# Altium PCB can_gateway_4.PcbDoc (part 1 of 2)
Units mm, origin at the board's own origin, x right, y up, seen from the top; angles counter-clockwise.
Board outline 100 x 67 mm, 2 copper layers (Top Layer, Bottom Layer); 219 components, 180 nets, 793 pads, 179 vias.
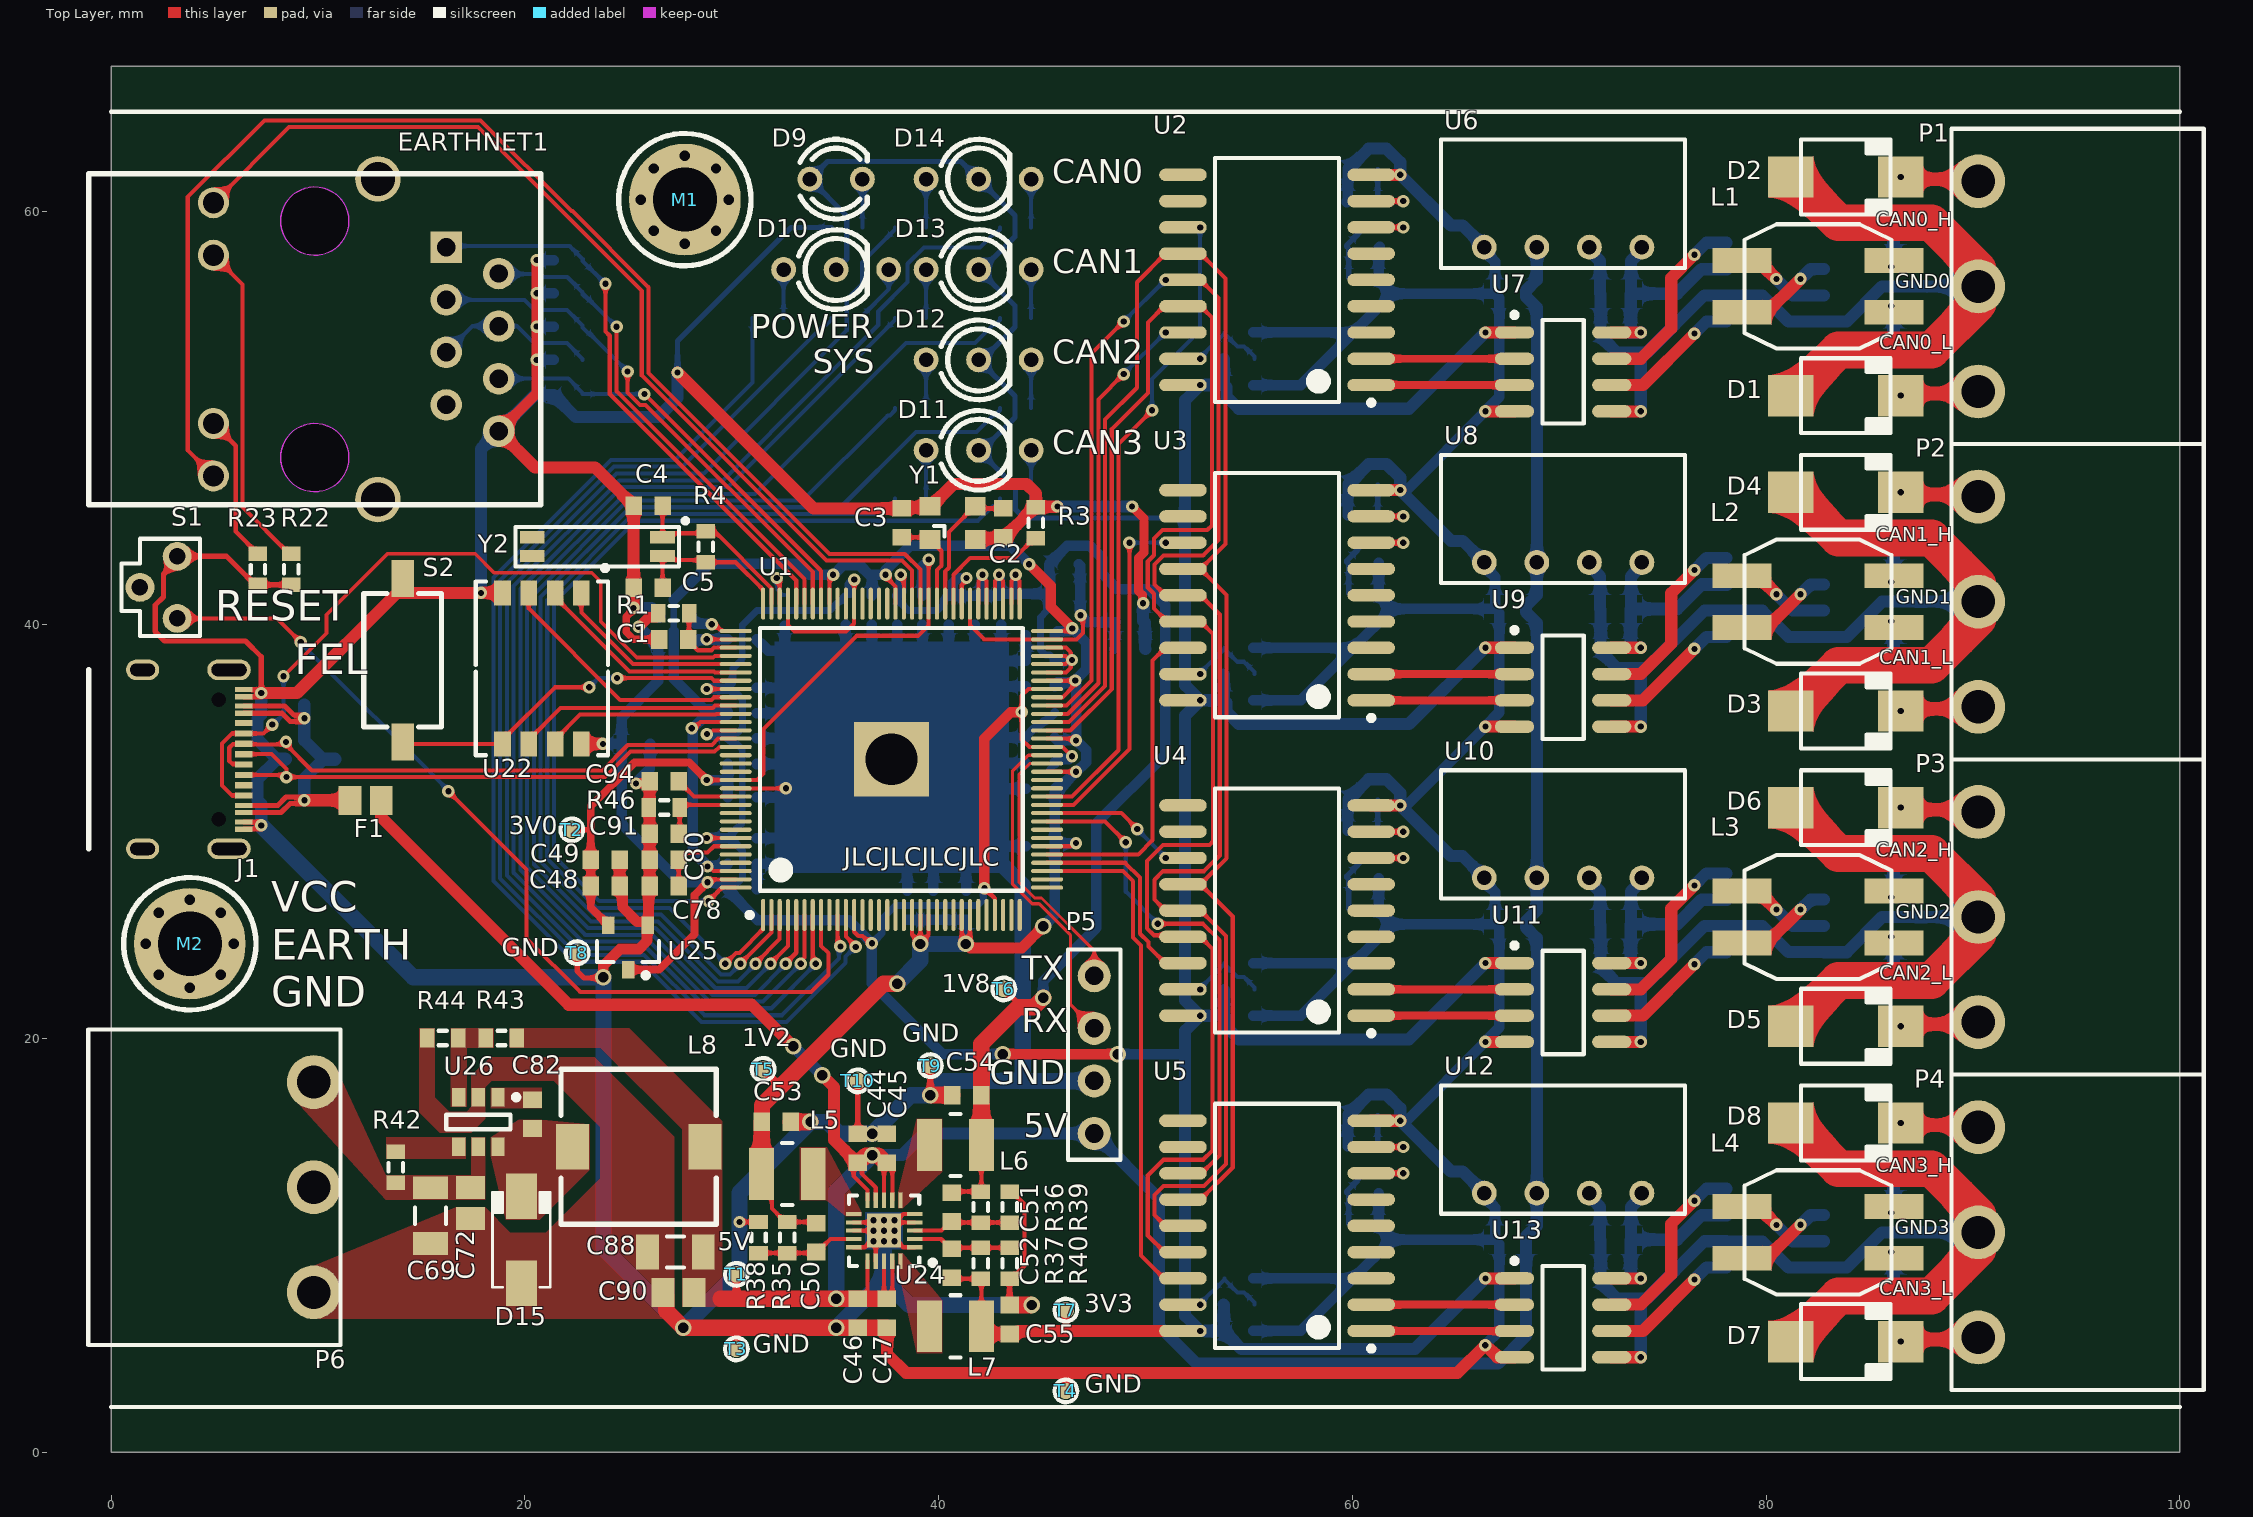
[diagram p0: Top Layer view]
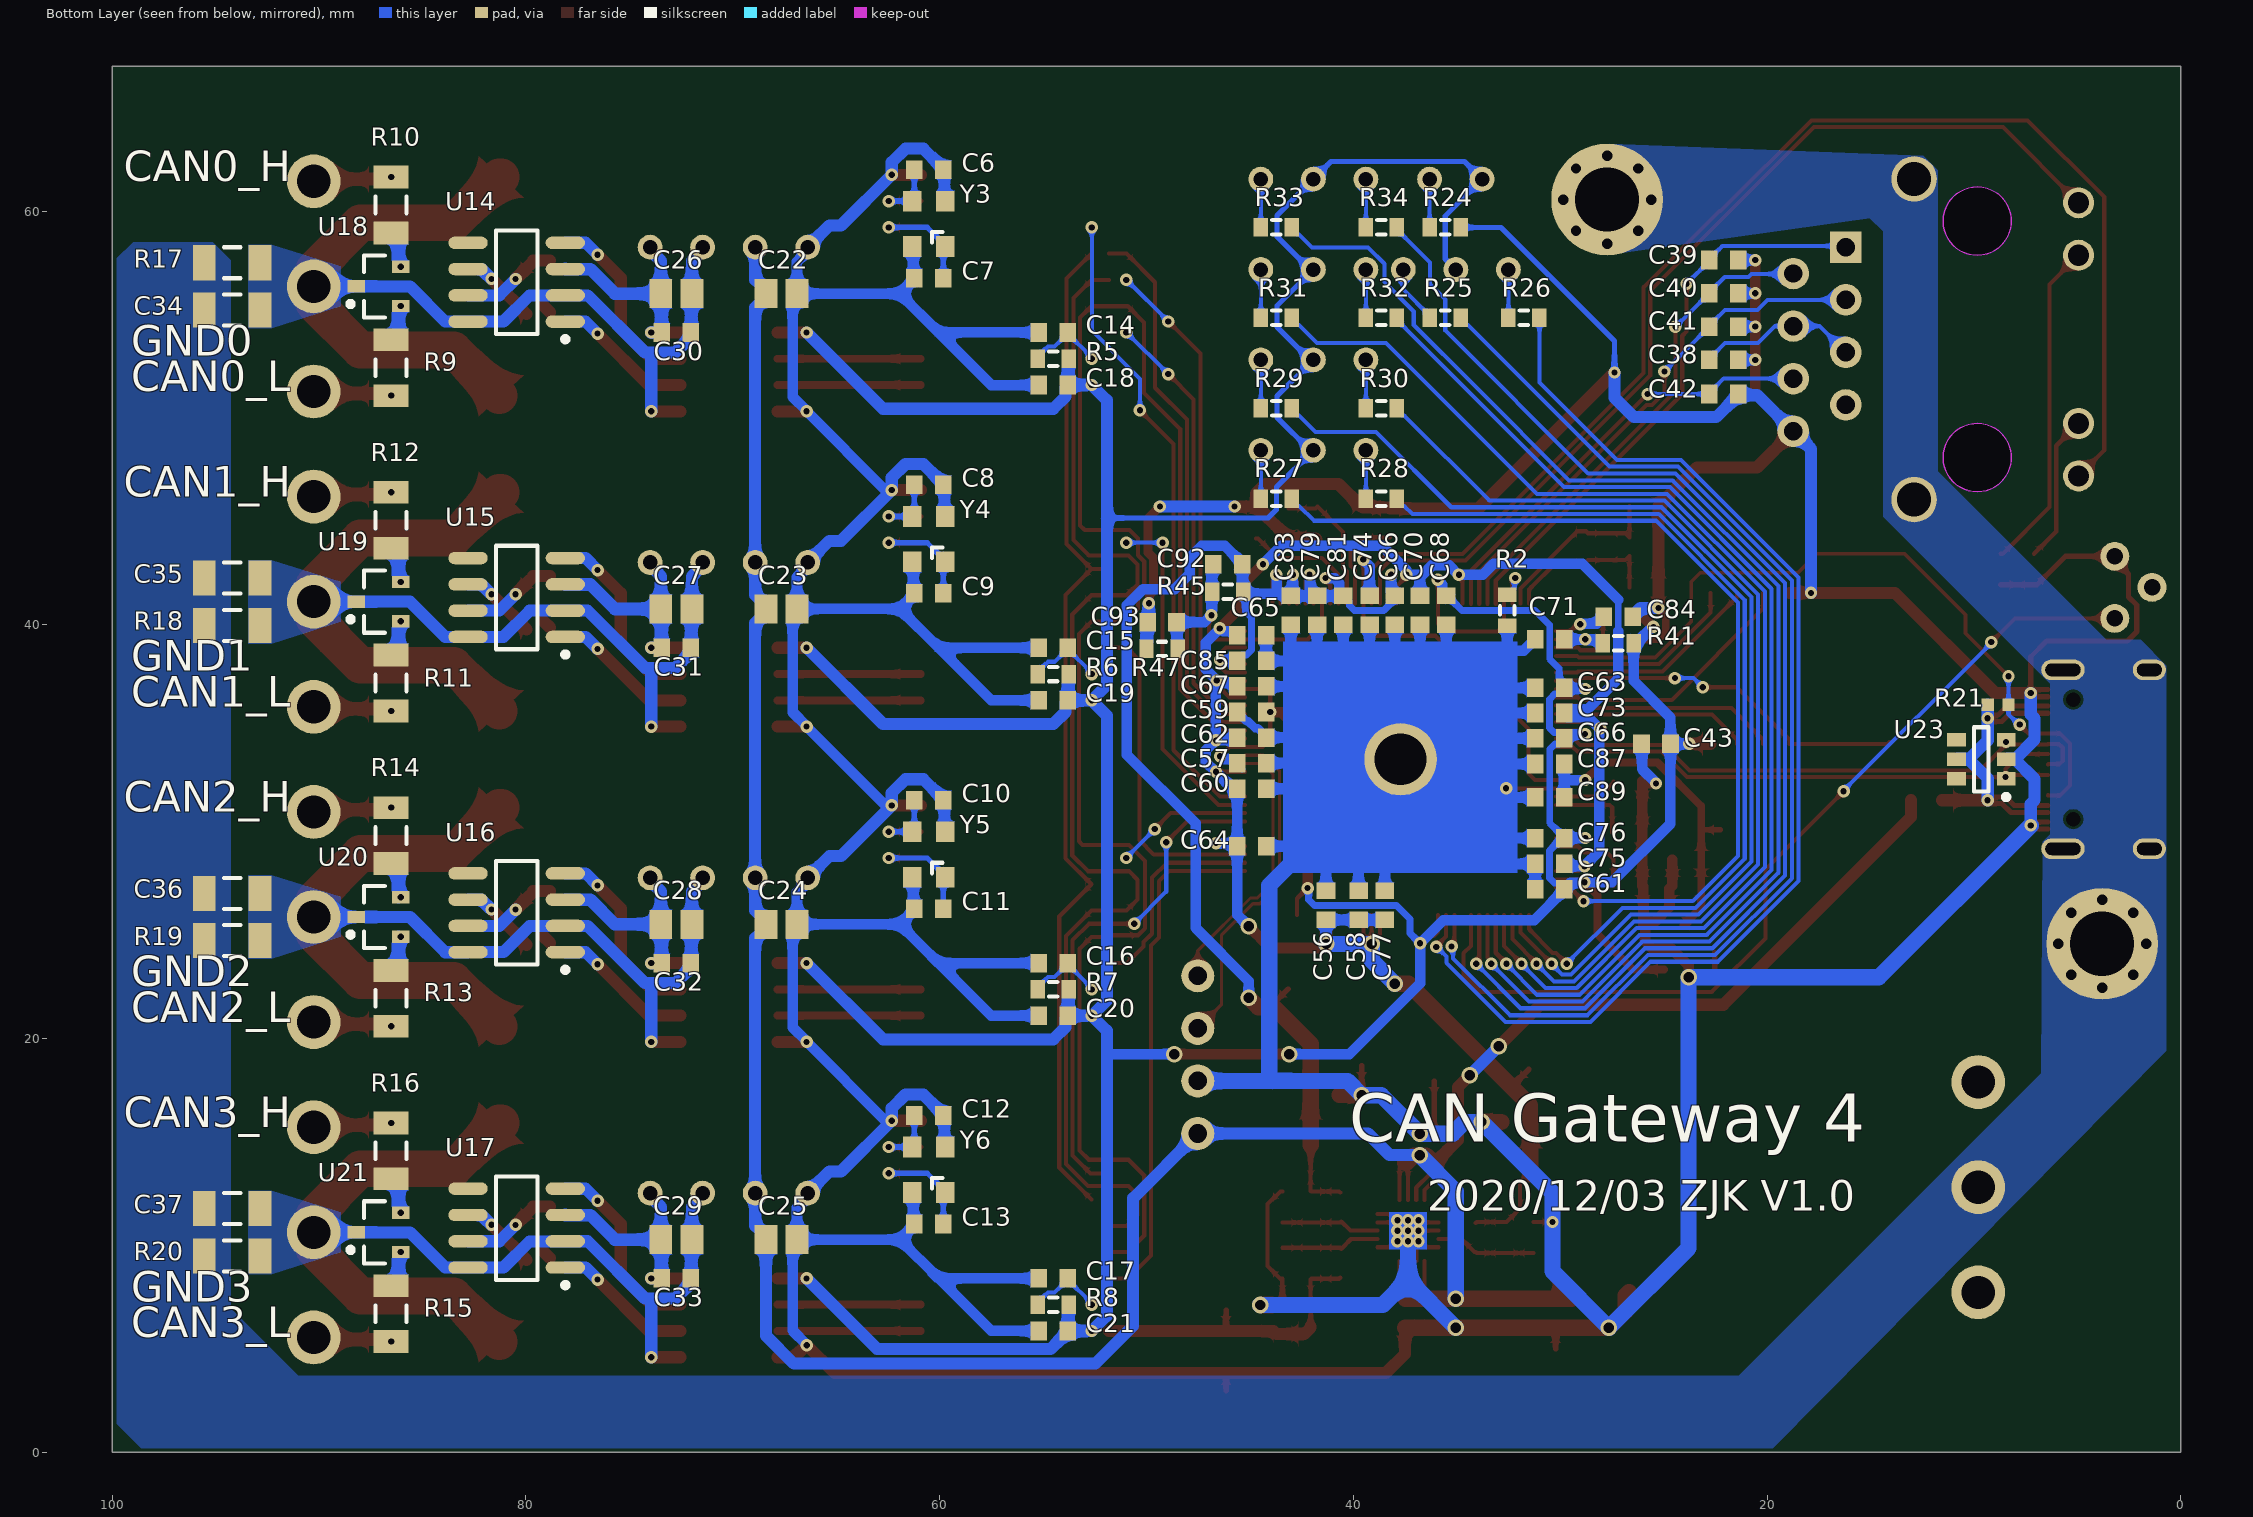
[diagram p1: Bottom Layer view, seen from below]

## Layer stack, top to bottom
Top Solder: solder mask 0.0102, Solder Resist, Dk 3.5
Top Layer: signal copper 0.0356
Dielectric 1: dielectric 0.32, FR-4, Dk 4.8
Bottom Layer: signal copper 0.0356
Bottom Solder: solder mask 0.0102, Solder Resist, Dk 3.5

## Board outline
0,0 0,67 100,67 100,0
cut-out: 9.849,46.437 cw(c9.849,48.087) 8.199,48.087 cw(c9.849,48.087) 9.849,49.737 cw(c9.849,48.087) 11.499,48.087 cw(c9.849,48.087)
cut-out: 9.849,57.867 cw(c9.849,59.517) 8.199,59.517 cw(c9.849,59.517) 9.849,61.167 cw(c9.849,59.517) 11.499,59.517 cw(c9.849,59.517)

## Design rules (kind name [scope] priority, off if disabled: settings)
Clearance [All] p1: gap=0.127 ignorepadtopadclearanceinfootprint=FALSE
PlaneConnect [All] p1: planeconnectstyle=Direct reliefexpansion=0.508 reliefentries=4 reliefconductorwidth=0.254 reliefairgap=0.254
PolygonConnect [All] p1: connectstyle=Direct reliefconductorwidth=0.254 reliefentries=4 polygonreliefangle="90 Angle" airgapwidth=0.254
RoutingVias [All] p1: holewidth=0.3 width=0.6 viastyle="Through Hole" minholewidth=0.3 minwidth=0.6 maxholewidth=3 maxwidth=6
SolderMaskExpansion [All] p1: expansion=0.102
Width [All] p1: maxlimit=2.54 minlimit=0.127 preferedwidth=0.152
29 further rules are at their usual default settings.

## Classes and differential pairs
component class U_misc: C38 C39 C40 C41 C42 C43 D9 D10 D11 D12 D13 D14 EARTHNET1 F1 J1 M1 M2 P1 P2 P3 P4 P5 P6 R21 R22 R23 R24 R25 R26 R27 R28 R29 R30 R31 R32 R33 R34 S1 S2 U22 U23
component class U_can: C6 C7 C8 C9 C10 C11 C12 C13 C14 C15 C16 C17 C18 C19 C20 C21 C22 C23 C24 C25 C26 C27 C28 C29 C30 C31 C32 C33 C34 C35 C36 C37 D1 D2 D3 D4 D5 D6 D7 D8 L1 L2 L3 L4 R5 R6 R7 R8 R9 R10 R11 R12 R13 R14 R15 R16 R17 R18 R19 R20 U2 U3 U4 U5 U6 U7 U8 U9 U10 U11 U12 U13 U14 U15 U16 U17 U18 U19 U20 U21 Y3 Y4 Y5 Y6
net class SDC1_D[0..3]: SDC1_D0 SDC1_D1 SDC1_D2 SDC1_D3
net class SDC0_D[0..3]: SDC0_D0 SDC0_D1 SDC0_D2 SDC0_D3
net class LCD_D[0..23]: LCD_D0 LCD_D1 LCD_D2 LCD_D3 LCD_D4 LCD_D5 LCD_D6 LCD_D7 LCD_D8 LCD_D9 LCD_D10 LCD_D11 LCD_D12 LCD_D13 LCD_D14 LCD_D15 LCD_D16 LCD_D17 LCD_D18 LCD_D19 LCD_D20 LCD_D21 LCD_D22 LCD_D23
component class U_v3s: C1 C2 C3 C4 C5 R1 R2 R3 R4 U1 Y1 Y2
component class U_power: C44 C45 C46 C47 C48 C49 C50 C51 C52 C53 C54 C55 C56 C57 C58 C59 C60 C61 C62 C63 C64 C65 C66 C67 C68 C69 C70 C71 C72 C73 C74 C75 C76 C77 C78 C79 C80 C81 C82 C83 C84 C85 C86 C87 C88 C89 C90 C91 C92 C93 C94 D15 L5 L6 L7 L8 R35 R36 R37 R38 R39 R40 R41 R42 R43 R44 R45 R46 R47 T1 T2 T3 T4 T5 T6 T7 T8 T9 T10 U24 U25 U26

## Components (designator, comment, footprint, x,y, rotation, side; value= is the part's Value field where it differs from the comment)
C1 "1uF" CAPC1608L 27.19,39.294 r0 top
C2 "6pF" CAPC1608L 43.129,44.926 r90 top
C3 "6pF" CAPC1608L 38.227,44.926 r90 top
C4 "6pF" CAPC1608L 25.959,45.751 r180 top
C5 "6pF" CAPC1608L 25.959,41.803 r180 top
C6 "6pF" CAPC1608L 60.523,62.006 r0 bottom
C7 "6pF" CAPC1608L 60.523,56.761 r0 bottom
C8 "6pF" CAPC1608L 60.523,46.766 r0 bottom
C9 "6pF" CAPC1608L 60.523,41.521 r0 bottom
C10 "6pF" CAPC1608L 60.523,31.526 r0 bottom
C11 "6pF" CAPC1608L 60.523,26.281 r0 bottom
C12 "6pF" CAPC1608L 60.523,16.286 r0 bottom
C13 "6pF" CAPC1608L 60.523,11.041 r0 bottom
C14 "1uF" CAPC1608L 54.512,54.132 r180 bottom
C15 "1uF" CAPC1608L 54.512,38.892 r180 bottom
C16 "1uF" CAPC1608L 54.512,23.652 r180 bottom
C17 "1uF" CAPC1608L 54.512,8.412 r180 bottom
C18 "100nF" CAPC1608L 54.512,51.592 r180 bottom
C19 "100nF" CAPC1608L 54.512,36.352 r180 bottom
C20 "100nF" CAPC1608L 54.512,21.112 r180 bottom
C21 "100nF" CAPC1608L 54.512,5.872 r180 bottom
C22 "4.7uF" CAPC2012L 67.644,56.007 r0 bottom
C23 "4.7uF" CAPC2012L 67.644,40.767 r0 bottom
C24 "4.7uF" CAPC2012L 67.644,25.527 r0 bottom
C25 "4.7uF" CAPC2012L 67.644,10.287 r0 bottom
C26 "10uF" CAPC2012L 72.724,56.007 r0 bottom
C27 "10uF" CAPC2012L 72.724,40.767 r0 bottom
C28 "10uF" CAPC2012L 72.724,25.527 r0 bottom
C29 "10uF" CAPC2012L 72.724,10.287 r0 bottom
C30 "100nF" CAPC1608L 72.724,54.132 r180 bottom
C31 "100nF" CAPC1608L 72.724,38.892 r180 bottom
C32 "100nF" CAPC1608L 72.724,23.652 r180 bottom
C33 "100nF" CAPC1608L 72.724,8.412 r180 bottom
C34 "1nF/2kV" CAPC3216L 94.192,55.217 r0 bottom
C35 "1nF/2kV" CAPC3216L 94.192,42.263 r0 bottom
C36 "1nF/2kV" CAPC3216L 94.192,27.023 r0 bottom
C37 "1nF/2kV" CAPC3216L 94.192,11.783 r0 bottom
C38 "22nF" CAPC1608L 22.098,52.807 r0 bottom
C39 "10pF" CAPC1608L 22.098,57.633 r0 bottom
C40 "10pF" CAPC1608L 22.098,56.024 r0 bottom
C41 "10pF" CAPC1608L 22.098,54.415 r0 bottom
C42 "10pF" CAPC1608L 22.098,51.156 r0 bottom
C43 "100nF" CAPC1608L 25.375,34.247 r0 bottom
C44 "10uF" CAPC1608L 36.093,14.705 r90 top
C45 "10uF" CAPC1608L 37.49,14.694 r90 top
C46 "10uF" CAPC1608L 36.093,6.729 r270 top
C47 "10uF" CAPC1608L 37.49,6.729 r270 top
C48 "10uF" CAPC1608L 23.886,27.381 r180 top
C49 "100nF" CAPC1608L 23.886,28.645 r180 top
C50 "18pF" CAPC1608L 34.089,10.389 r90 top
C51 "18pF" CAPC1608L 40.638,11.862 r90 top
C52 "18pF" CAPC1608L 40.638,9.144 r270 top
C53 "10uF" CAPC1608L 32.156,15.977 r180 top
C54 "10uF" CAPC1608L 41.368,17.272 r0 top
C55 "10uF" CAPC1608L 43.432,6.426 r270 top
C56 "10uF" CAPC1608L 41.326,26.441 r270 bottom
C57 "10uF" CAPC1608L 44.92,33.316 r0 bottom
C58 "1uF" CAPC1608L 39.751,26.441 r270 bottom
C59 "1uF" CAPC1608L 44.92,35.789 r180 bottom
C60 "1uF" CAPC1608L 44.92,32.08 r0 bottom
C61 "100nF" CAPC1608L 30.52,27.229 r180 bottom
C62 "100nF" CAPC1608L 44.92,34.552 r0 bottom
C63 "100nF" CAPC1608L 30.52,36.957 r180 bottom
C64 "100nF" CAPC1608L 44.92,29.3 r0 bottom
C65 "10uF" CAPC1608L 44.92,39.497 r0 bottom
C66 "100nF" CAPC1608L 30.52,34.519 r180 bottom
C67 "1uF" CAPC1608L 44.92,37.025 r0 bottom
C68 "100nF" CAPC1608L 35.509,40.7 r90 bottom
C69 "4.7uF" CAPC3216L 15.443,11.448 r90 top
C70 "1uF" CAPC1608L 36.779,40.7 r90 bottom
C71 "100nF" CAPC1608L 30.52,39.3 r180 bottom
C72 "0.1uF" CAPC2012L 17.374,12.057 r90 top
C73 "100nF" CAPC1608L 30.52,35.738 r180 bottom
C74 "100nF" CAPC1608L 39.218,40.7 r90 bottom
C75 "100nF" CAPC1608L 30.52,28.448 r180 bottom
C76 "100nF" CAPC1608L 30.52,29.693 r180 bottom
C77 "100nF" CAPC1608L 38.481,26.441 r270 bottom
C78 "10uF" CAPC1608L 26.738,27.381 r0 top
C79 "10uF" CAPC1608L 41.756,40.7 r90 bottom
C80 "100nF" CAPC1608L 26.738,28.645 r0 top
C81 "1uF" CAPC1608L 40.485,40.7 r90 bottom
C82 "0.1uF" CAPC1608L 20.371,16.358 r90 top
C83 "1uF" CAPC1608L 43.028,40.7 r90 bottom
C84 "10uF" CAPC1608L 27.203,40.386 r0 bottom
C85 "100nF" CAPC1608L 44.92,38.261 r0 bottom
C86 "100nF" CAPC1608L 37.998,40.7 r90 bottom
C87 "10uF" CAPC1608L 30.52,33.275 r180 bottom
C88 "22uF" CAPC3216L 27.28,9.695 r0 top
C89 "100nF" CAPC1608L 30.52,31.664 r180 bottom
C90 "0.1uF" CAPC2012L 27.432,7.739 r0 top
C91 "10uF" CAPC1608L 26.738,29.909 r0 top
C92 "100nF" CAPC1608L 46.076,42.926 r180 bottom
C93 "100nF" CAPC1608L 49.251,40.132 r180 bottom
C94 "1uF" CAPC1608L 26.738,32.436 r0 top
D1 "SMBJ5.0A" DO-214AA 83.848,51.079 r0 top
D2 "SMBJ5.0A" DO-214AA 83.848,61.646 r0 top
D3 "SMBJ5.0A" DO-214AA 83.848,35.839 r0 top
D4 "SMBJ5.0A" DO-214AA 83.848,46.406 r0 top
D5 "SMBJ5.0A" DO-214AA 83.848,20.599 r0 top
D6 "SMBJ5.0A" DO-214AA 83.848,31.166 r0 top
D7 "SMBJ5.0A" DO-214AA 83.848,5.359 r0 top
D8 "SMBJ5.0A" DO-214AA 83.848,15.926 r0 top
D9 "LED1" LED_3 35.047,61.544 r0 top
D10 "LEDx2_CA" LED_3x2 35.047,57.175 r0 top
D11 "LEDx2_CA" LED_3x2 41.935,48.438 r0 top
D12 "LEDx2_CA" LED_3x2 41.935,52.807 r0 top
D13 "LEDx2_CA" LED_3x2 41.935,57.175 r0 top
D14 "LEDx2_CA" LED_3x2 41.935,61.544 r0 top
D15 "B340A-E3-61T" DO-214AC 19.837,10.279 r90 top
EARTHNET1 "HR911105A" HR911105A 9.849,53.801 r90 top
F1 "0.5A 6V" FUSE2012L 12.307,31.521 r0 top
J1 "USB_TYPE_C_16P" USB_TYPEC_16P 7.707,35.325 r270 top
L1 "B82793S0513N201" IND0163-B 86.184,57.61 r180 top
L2 "B82793S0513N201" IND0163-B 86.184,42.37 r180 top
L3 "B82793S0513N201" IND0163-B 86.184,27.13 r180 top
L4 "B82793S0513N201" IND0163-B 86.184,11.89 r180 top
L5 "SWPA3012S2R2MT" IND3012_L 32.69,13.462 r180 top
L6 "SWPA3012S2R2MT" IND3012_L 40.818,14.859 r0 top
L7 "SWPA3012S2R2MT" IND3012_L 40.818,6.096 r0 top
L8 "CDRH74R 10uH" IND_7545 22.301,14.775 r0 top
M1 "M" M3 27.737,60.554 r0 top
M2 "M" M3 3.81,24.587 r0 top
P1 "Header 3" KF2EDGR-5.08-3P_S 90.25,61.44 r270 top
P2 "Header 3" KF2EDGR-5.08-3P_S 90.25,46.2 r270 top
P3 "Header 3" KF2EDGR-5.08-3P_S 90.25,30.96 r270 top
P4 "Header 3" KF2EDGR-5.08-3P_S 90.25,15.72 r270 top
P5 "Header 4" HDR1X4 47.523,15.418 r90 top
P6 "Header 3" KF2EDGR-5.08-3P_S 9.8,7.74 r90 top
R1 "47K" RESC1608L 27.19,40.568 r0 top
R2 "6K" RESC1608L 32.563,40.7 r90 bottom
R3 "240Ω" RESC1608L 44.704,44.926 r270 top
R4 "10M" RESC1608L 28.753,43.777 r90 top
R5 "47K" RESC1608L 54.512,52.862 r0 bottom
R6 "47K" RESC1608L 54.512,37.622 r0 bottom
R7 "47K" RESC1608L 54.512,22.382 r0 bottom
R8 "47K" RESC1608L 54.512,7.142 r0 bottom
R9 "2.7R" RESC3216L 86.509,52.429 r90 bottom
R10 "2.7R" RESC3216L 86.509,60.296 r270 bottom
R11 "2.7R" RESC3216L 86.509,37.189 r90 bottom
R12 "2.7R" RESC3216L 86.509,45.056 r270 bottom
R13 "2.7R" RESC3216L 86.509,21.949 r90 bottom
R14 "2.7R" RESC3216L 86.509,29.816 r270 bottom
R15 "2.7R" RESC3216L 86.509,6.709 r90 bottom
R16 "2.7R" RESC3216L 86.509,14.576 r270 bottom
R17 "1MR" RESC3216L 94.192,57.503 r180 bottom
R18 "1MR" RESC3216L 94.192,39.977 r180 bottom
R19 "1MR" RESC3216L 94.192,24.737 r180 bottom
R20 "1MR" RESC3216L 94.192,9.497 r180 bottom
R21 "56K" RESC1005L 8.839,36.144 r0 bottom
R22 "510R" RESC1608L 8.713,42.687 r90 top
R23 "510R" RESC1608L 7.102,42.687 r90 top
R24 "1.5K" RESC1608L 35.567,59.21 r180 bottom
R25 "270R" RESC1608L 35.567,54.841 r180 bottom
R26 "110R" RESC1608L 31.757,54.841 r180 bottom
R27 "270R" RESC1608L 43.725,46.104 r180 bottom
R28 "110R" RESC1608L 38.645,46.104 r180 bottom
R29 "270R" RESC1608L 43.725,50.472 r180 bottom
R30 "110R" RESC1608L 38.645,50.472 r180 bottom
R31 "270R" RESC1608L 43.725,54.841 r180 bottom
R32 "110R" RESC1608L 38.645,54.841 r180 bottom
R33 "270R" RESC1608L 43.725,59.21 r180 bottom
R34 "110R" RESC1608L 38.645,59.21 r180 bottom
R35 "150K" RESC1608L 32.692,10.389 r90 top
R36 "200K" RESC1608L 42.035,11.862 r90 top
R37 "680K" RESC1608L 42.035,9.144 r270 top
R38 "150K" RESC1608L 31.295,10.389 r270 top
R39 "100K" RESC1608L 43.432,11.862 r270 top
R40 "150K" RESC1608L 43.432,9.144 r90 top
R41 "0Ω" RESC1608L 27.203,39.116 r0 bottom
R42 "100K" RESC1608L 13.767,13.785 r270 top
R43 "43K" RESC1608L 18.872,20.033 r0 top
R44 "8.2K" RESC1608L 16.027,20.033 r0 top
R45 "2K" RESC1608L 46.076,41.605 r0 bottom
R46 "200K" RESC1608L 26.738,31.172 r0 top
R47 "2K" RESC1608L 49.251,38.837 r0 bottom
S1 "SW-PB" SW_4.5x3.8 2.3,41.813 r270 top
S2 "SW-PB" SW-3x6 14.097,42.24 r270 top
T1 "TEST_POINT" TEST_POINT_0.8 30.226,8.611 r0 top
T2 "TEST_POINT" TEST_POINT_0.8 22.27,30.093 r180 top
T3 "TEST_POINT" TEST_POINT_0.8 30.226,5.004 r0 top
T4 "TEST_POINT" TEST_POINT_0.8 46.152,2.972 r0 top
T5 "TEST_POINT" TEST_POINT_0.8 31.521,18.517 r0 top
T6 "TEST_POINT" TEST_POINT_0.8 43.155,22.403 r0 top
T7 "TEST_POINT" TEST_POINT_0.8 46.152,6.883 r0 top
T8 "TEST_POINT" TEST_POINT_0.8 22.53,24.155 r0 top
T9 "TEST_POINT" TEST_POINT_0.8 39.599,18.694 r0 top
T10 "TEST_POINT" TEST_POINT_0.8 36.093,17.958 r90 top
U1 "V3S" V3S_L 37.72,33.5 r90 top
U2 "MCP2515-I/SO" SOIC18_N 56.36,56.672 r180 top
U3 "MCP2515-I/SO" SOIC18_N 56.36,41.432 r180 top
U4 "MCP2515-I/SO" SOIC18_N 56.36,26.192 r180 top
U5 "MCP2515-I/SO" SOIC18_N 56.36,10.952 r180 top
U6 "B_S-1WR2" B_S-1WR2 66.374,58.256 r0 top
U7 "ADUM1201ARZ" SOIC8_L 70.184,52.227 r0 top
U8 "B_S-1WR2" B_S-1WR2 66.374,43.016 r0 top
U9 "ADUM1201ARZ" SOIC8_L 70.184,36.987 r0 top
U10 "B_S-1WR2" B_S-1WR2 66.374,27.776 r0 top
U11 "ADUM1201ARZ" SOIC8_L 70.184,21.747 r0 top
U12 "B_S-1WR2" B_S-1WR2 66.374,12.536 r0 top
U13 "ADUM1201ARZ" SOIC8_L 70.184,6.507 r0 top
U14 "TJA1042T" SOIC8_L 80.442,56.563 r0 bottom
U15 "TJA1042T" SOIC8_L 80.442,41.323 r0 bottom
U16 "TJA1042T" SOIC8_L 80.442,26.083 r0 bottom
U17 "TJA1042T" SOIC8_L 80.442,10.843 r0 bottom
U18 "SM712" SOT23_L 87.122,56.36 r0 bottom
U19 "SM712" SOT23_L 87.122,41.12 r0 bottom
U20 "SM712" SOT23_L 87.122,25.88 r0 bottom
U21 "SM712" SOT23_L 87.122,10.64 r0 bottom
U22 "SD NAND" QFN8_L 20.828,37.897 r270 top
U23 "SRV05-4" SOT23-6_L 9.652,33.503 r0 bottom
U24 "EA3036" QFN20_L 37.363,10.719 r180 top
U25 "XC6206" SOT23_L 24.994,24.409 r270 top
U26 "MP2359" SOT23-6_L 17.755,15.969 r270 top
Y1 "24MHz" XTAL-3225 40.68,44.926 r0 top
Y2 "MC-146" MC-146 26.659,44.227 r180 top
Y3 "24MHz" XTAL-3225 60.523,59.383 r90 bottom
Y4 "24MHz" XTAL-3225 60.523,44.143 r90 bottom
Y5 "24MHz" XTAL-3225 60.523,28.903 r90 bottom
Y6 "24MHz" XTAL-3225 60.523,13.663 r90 bottom
